# Altium PCB Shuttler_AFE.PcbDoc (part 1 of 5)
Units mil, origin at the board's own origin, x right, y up, seen from the top; angles counter-clockwise.
Board outline 3291.94 x 4295.88 mil, 4 copper layers (TOP, L2, L3, BOTTOM), stack 65.354 mil thick; 521 components, 367 nets, 1536 pads, 871 vias.
Unrouted connection lines stored in the file: 1.
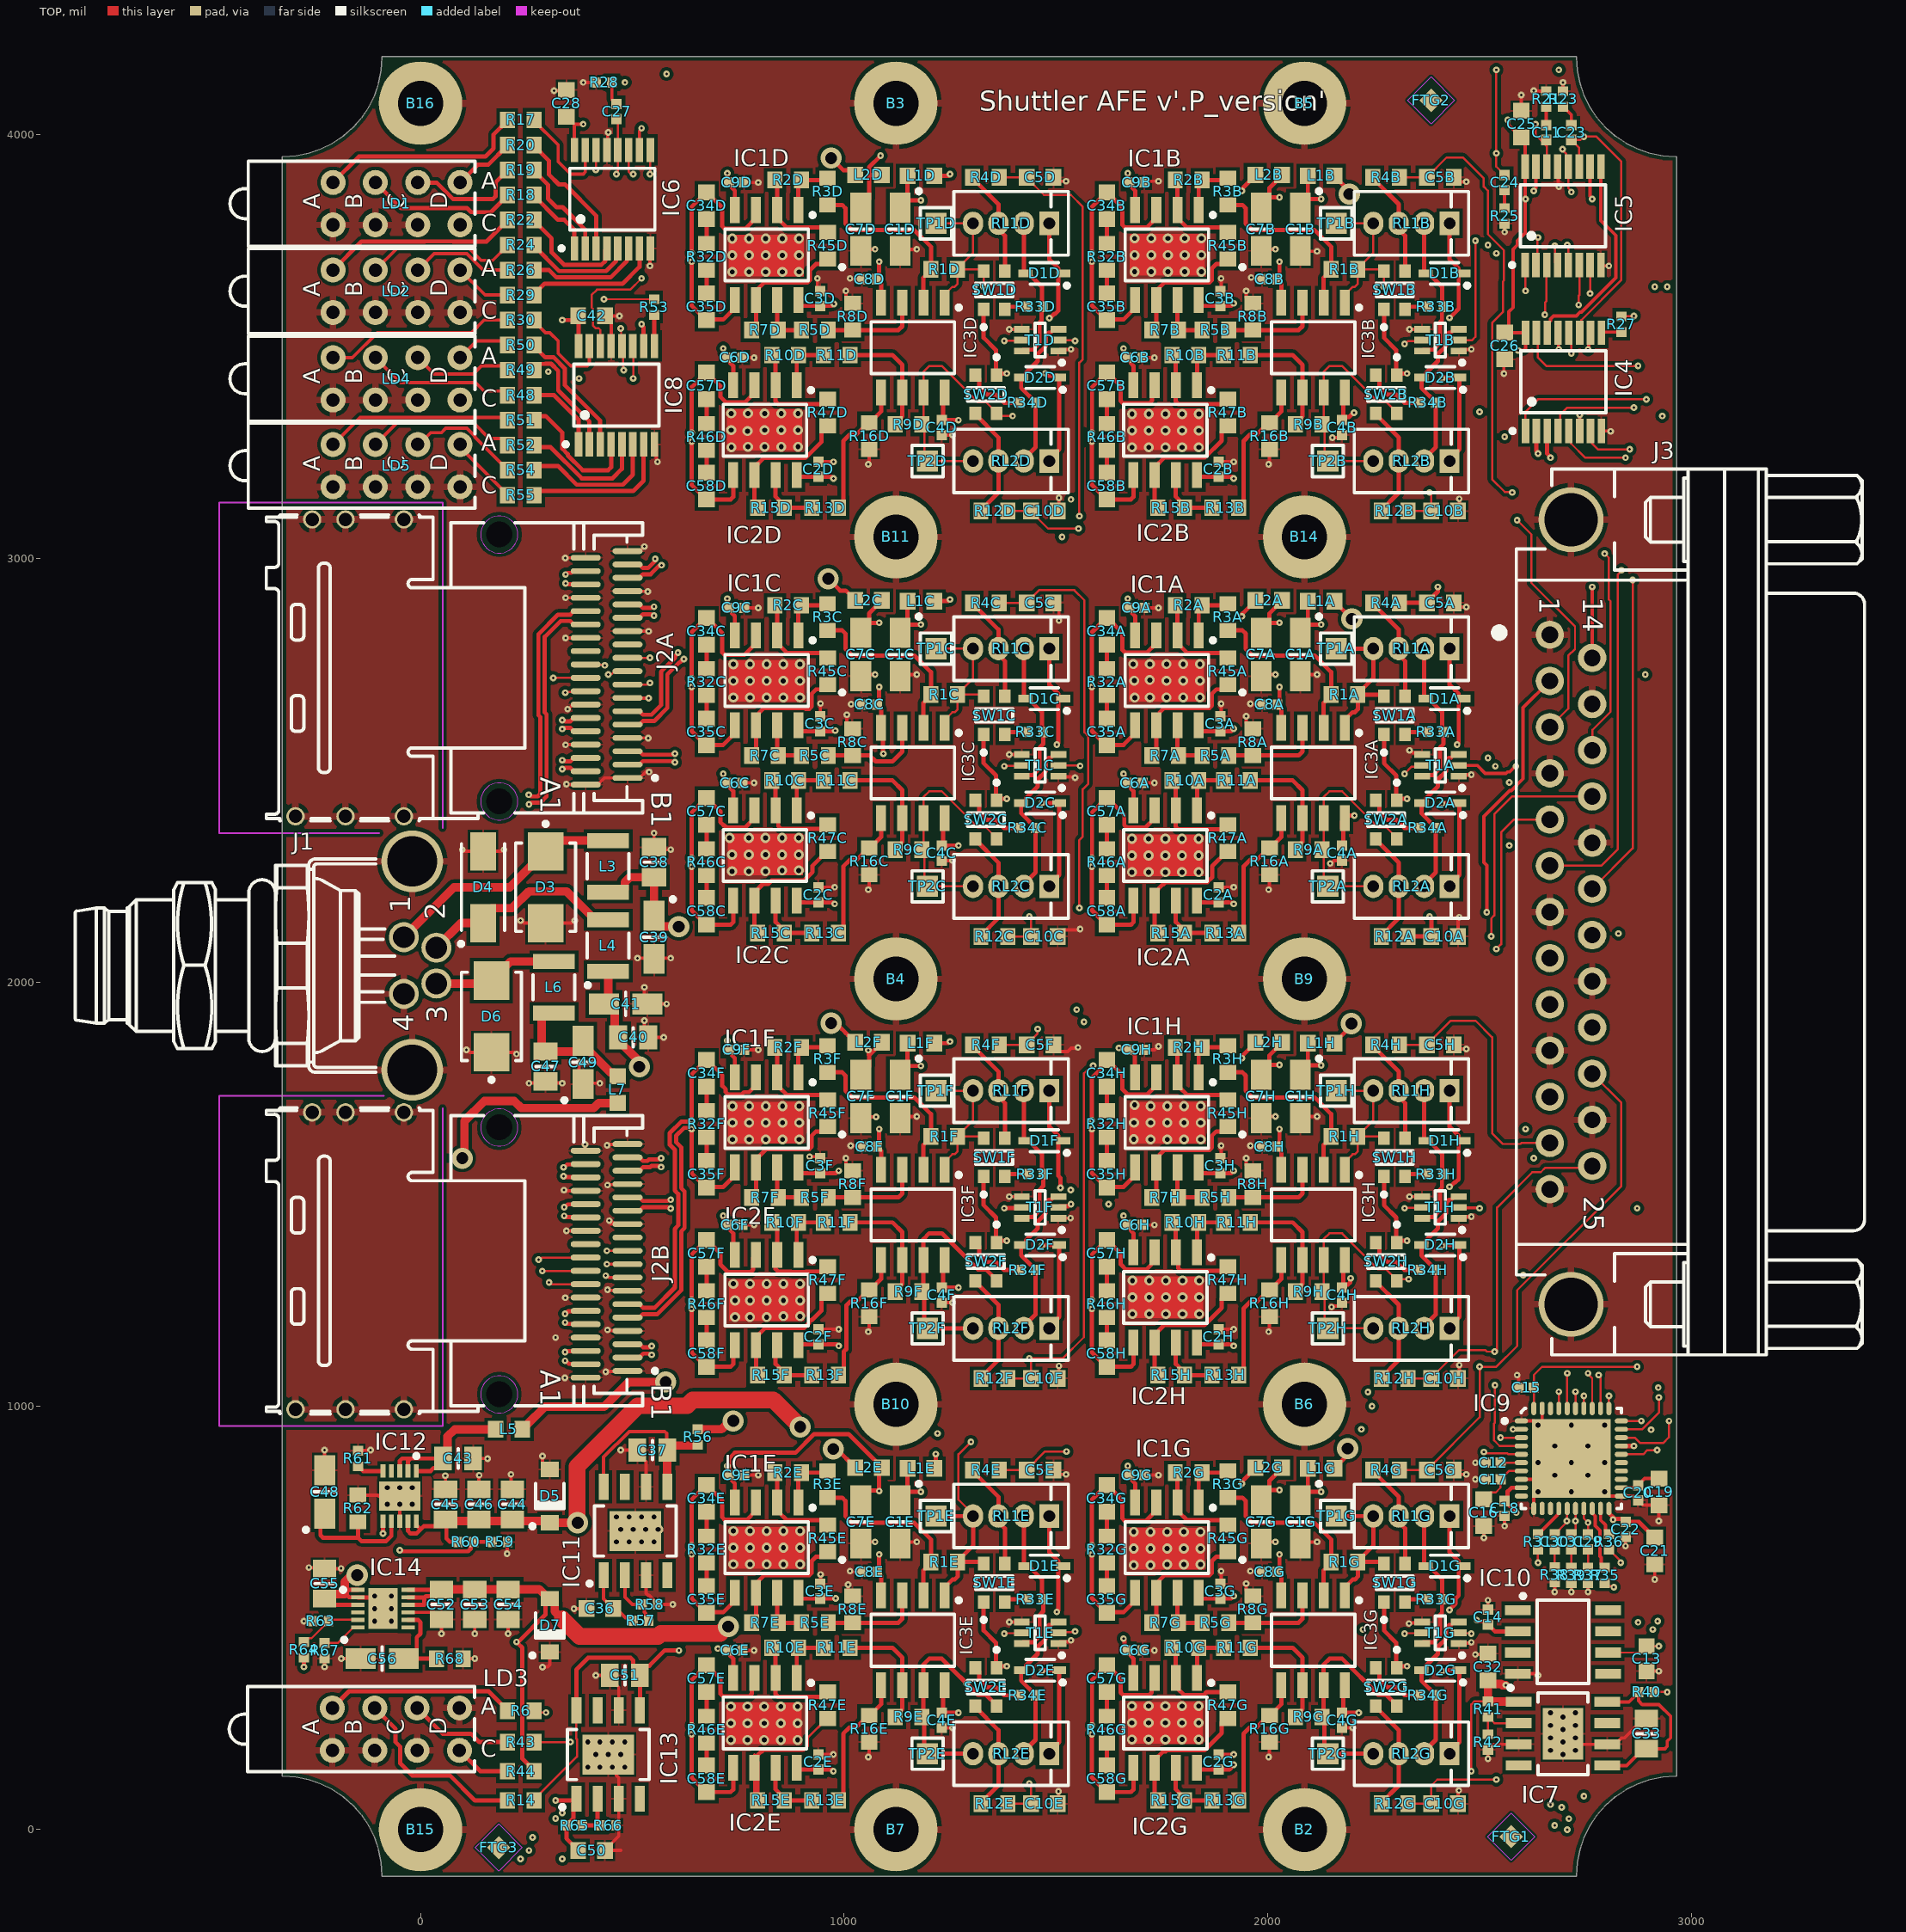
[diagram p0: TOP view]
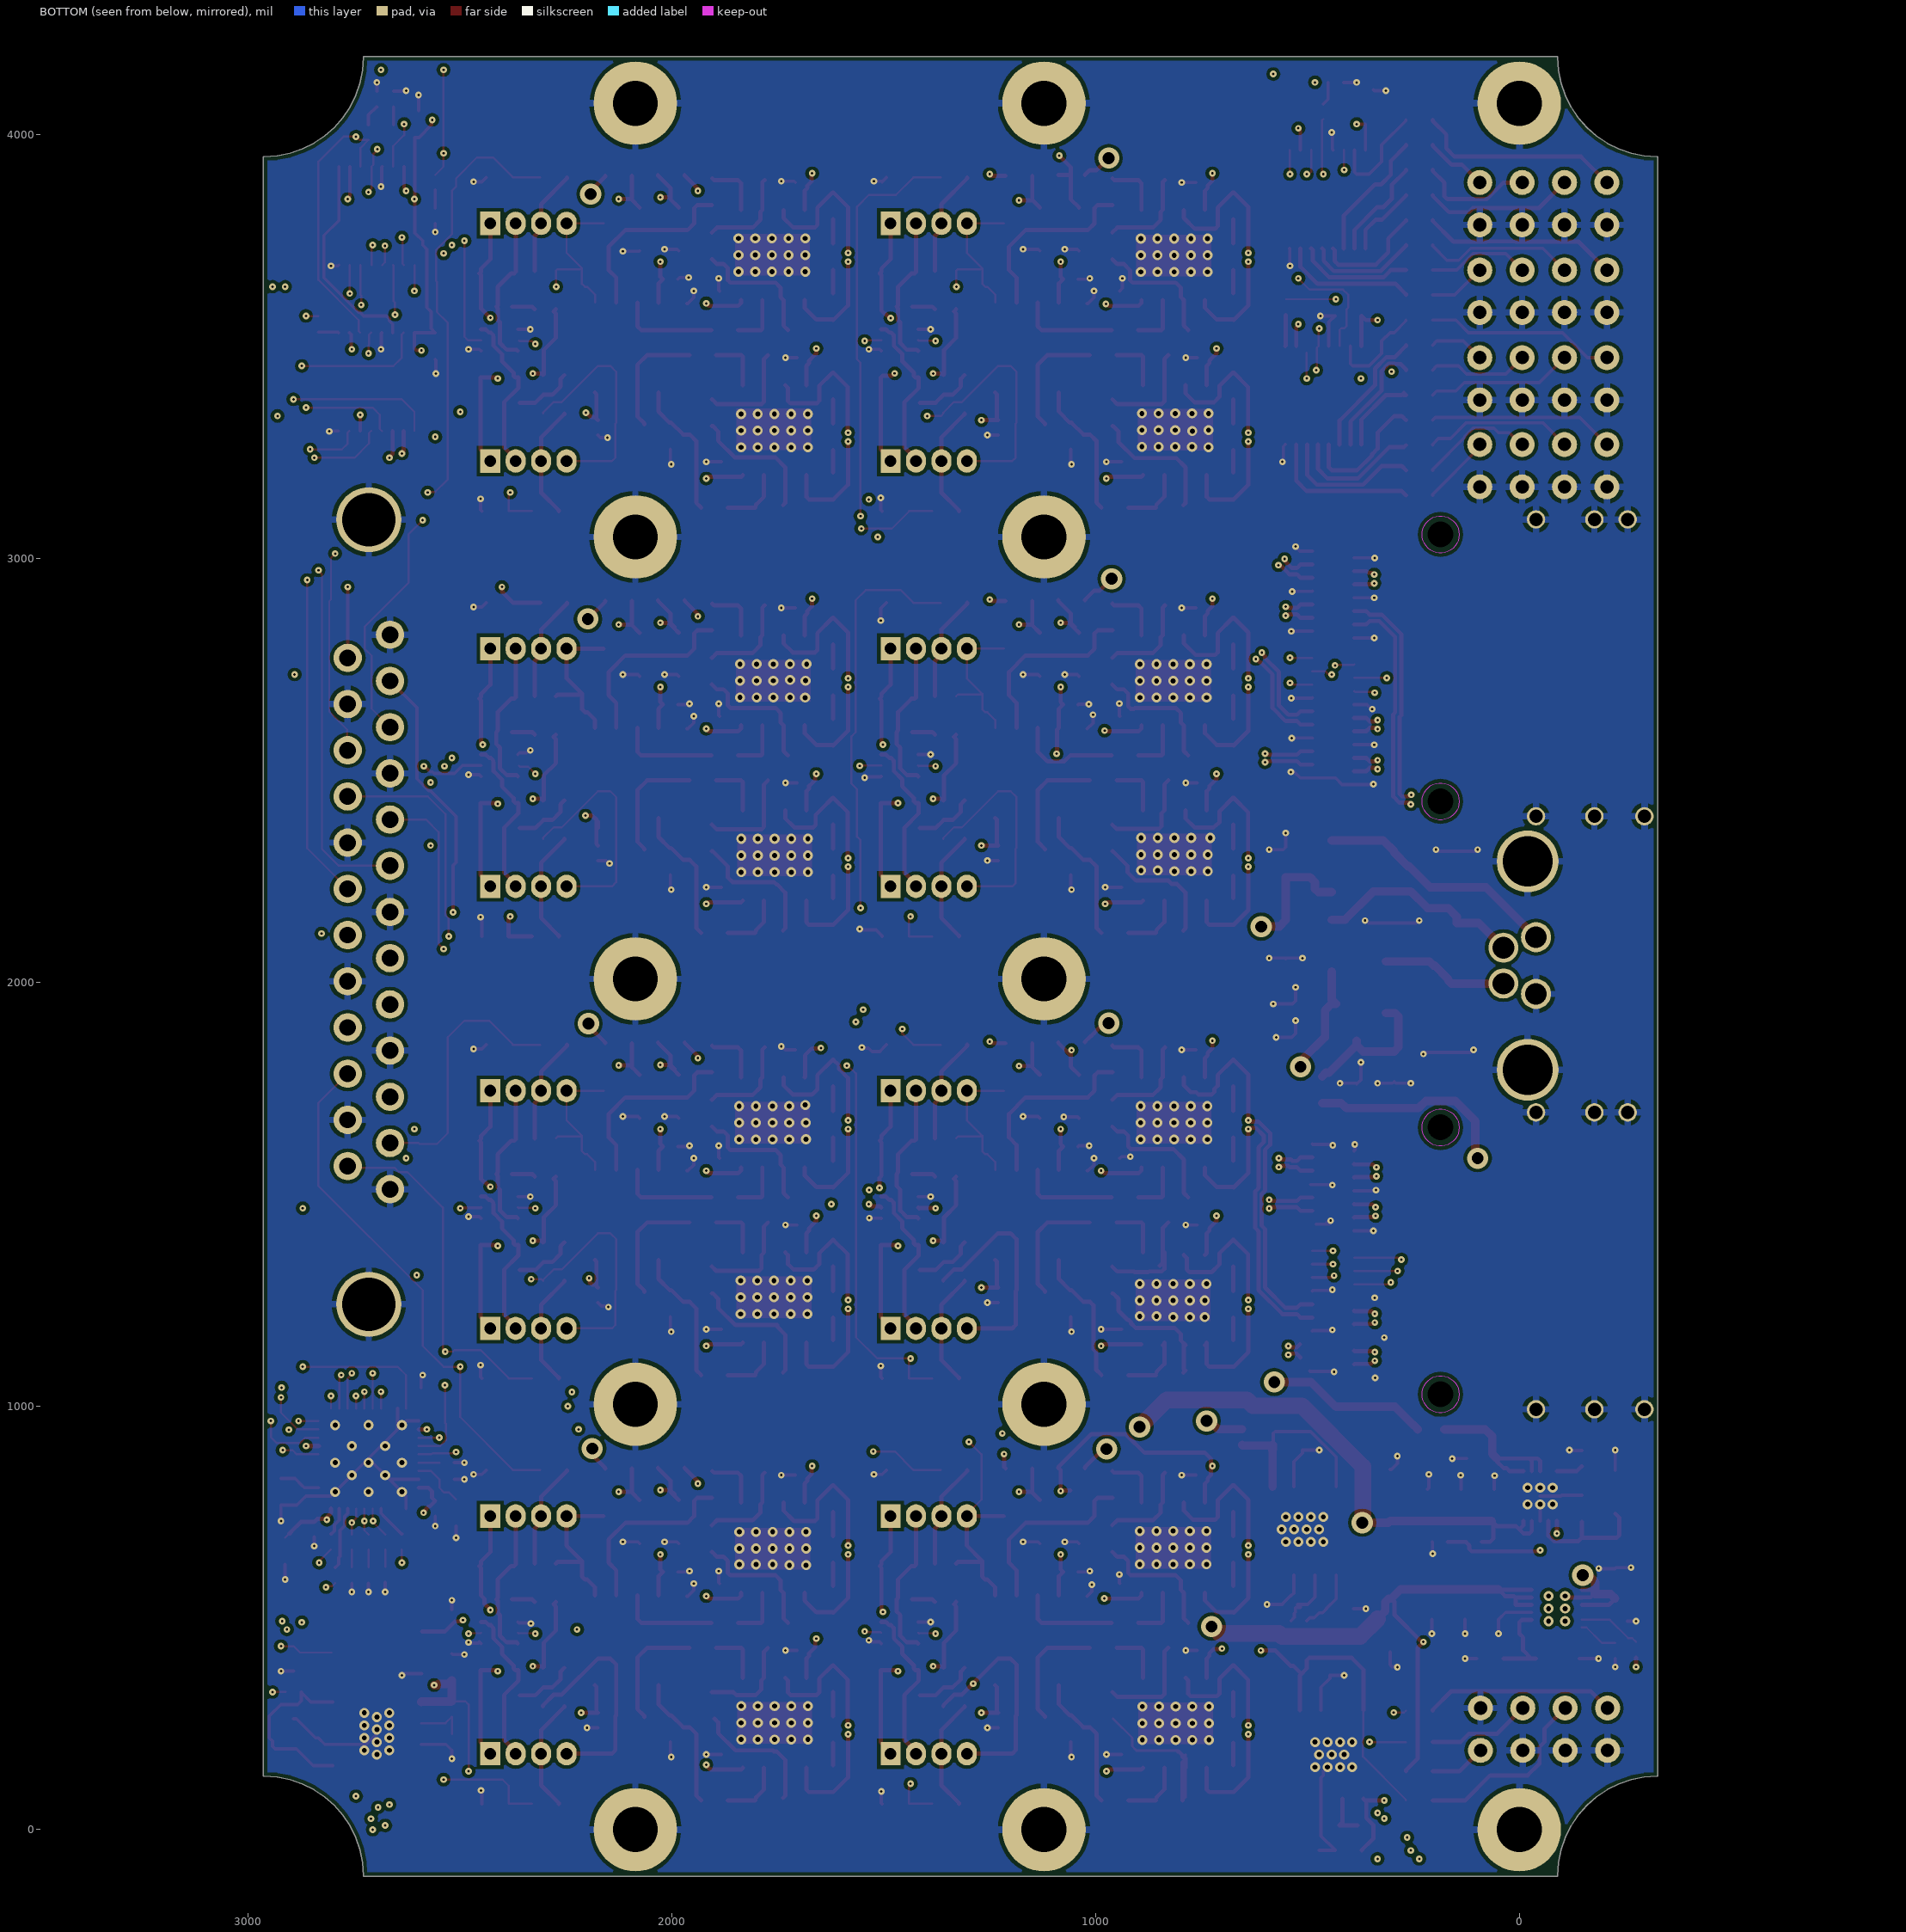
[diagram p1: BOTTOM view, seen from below]
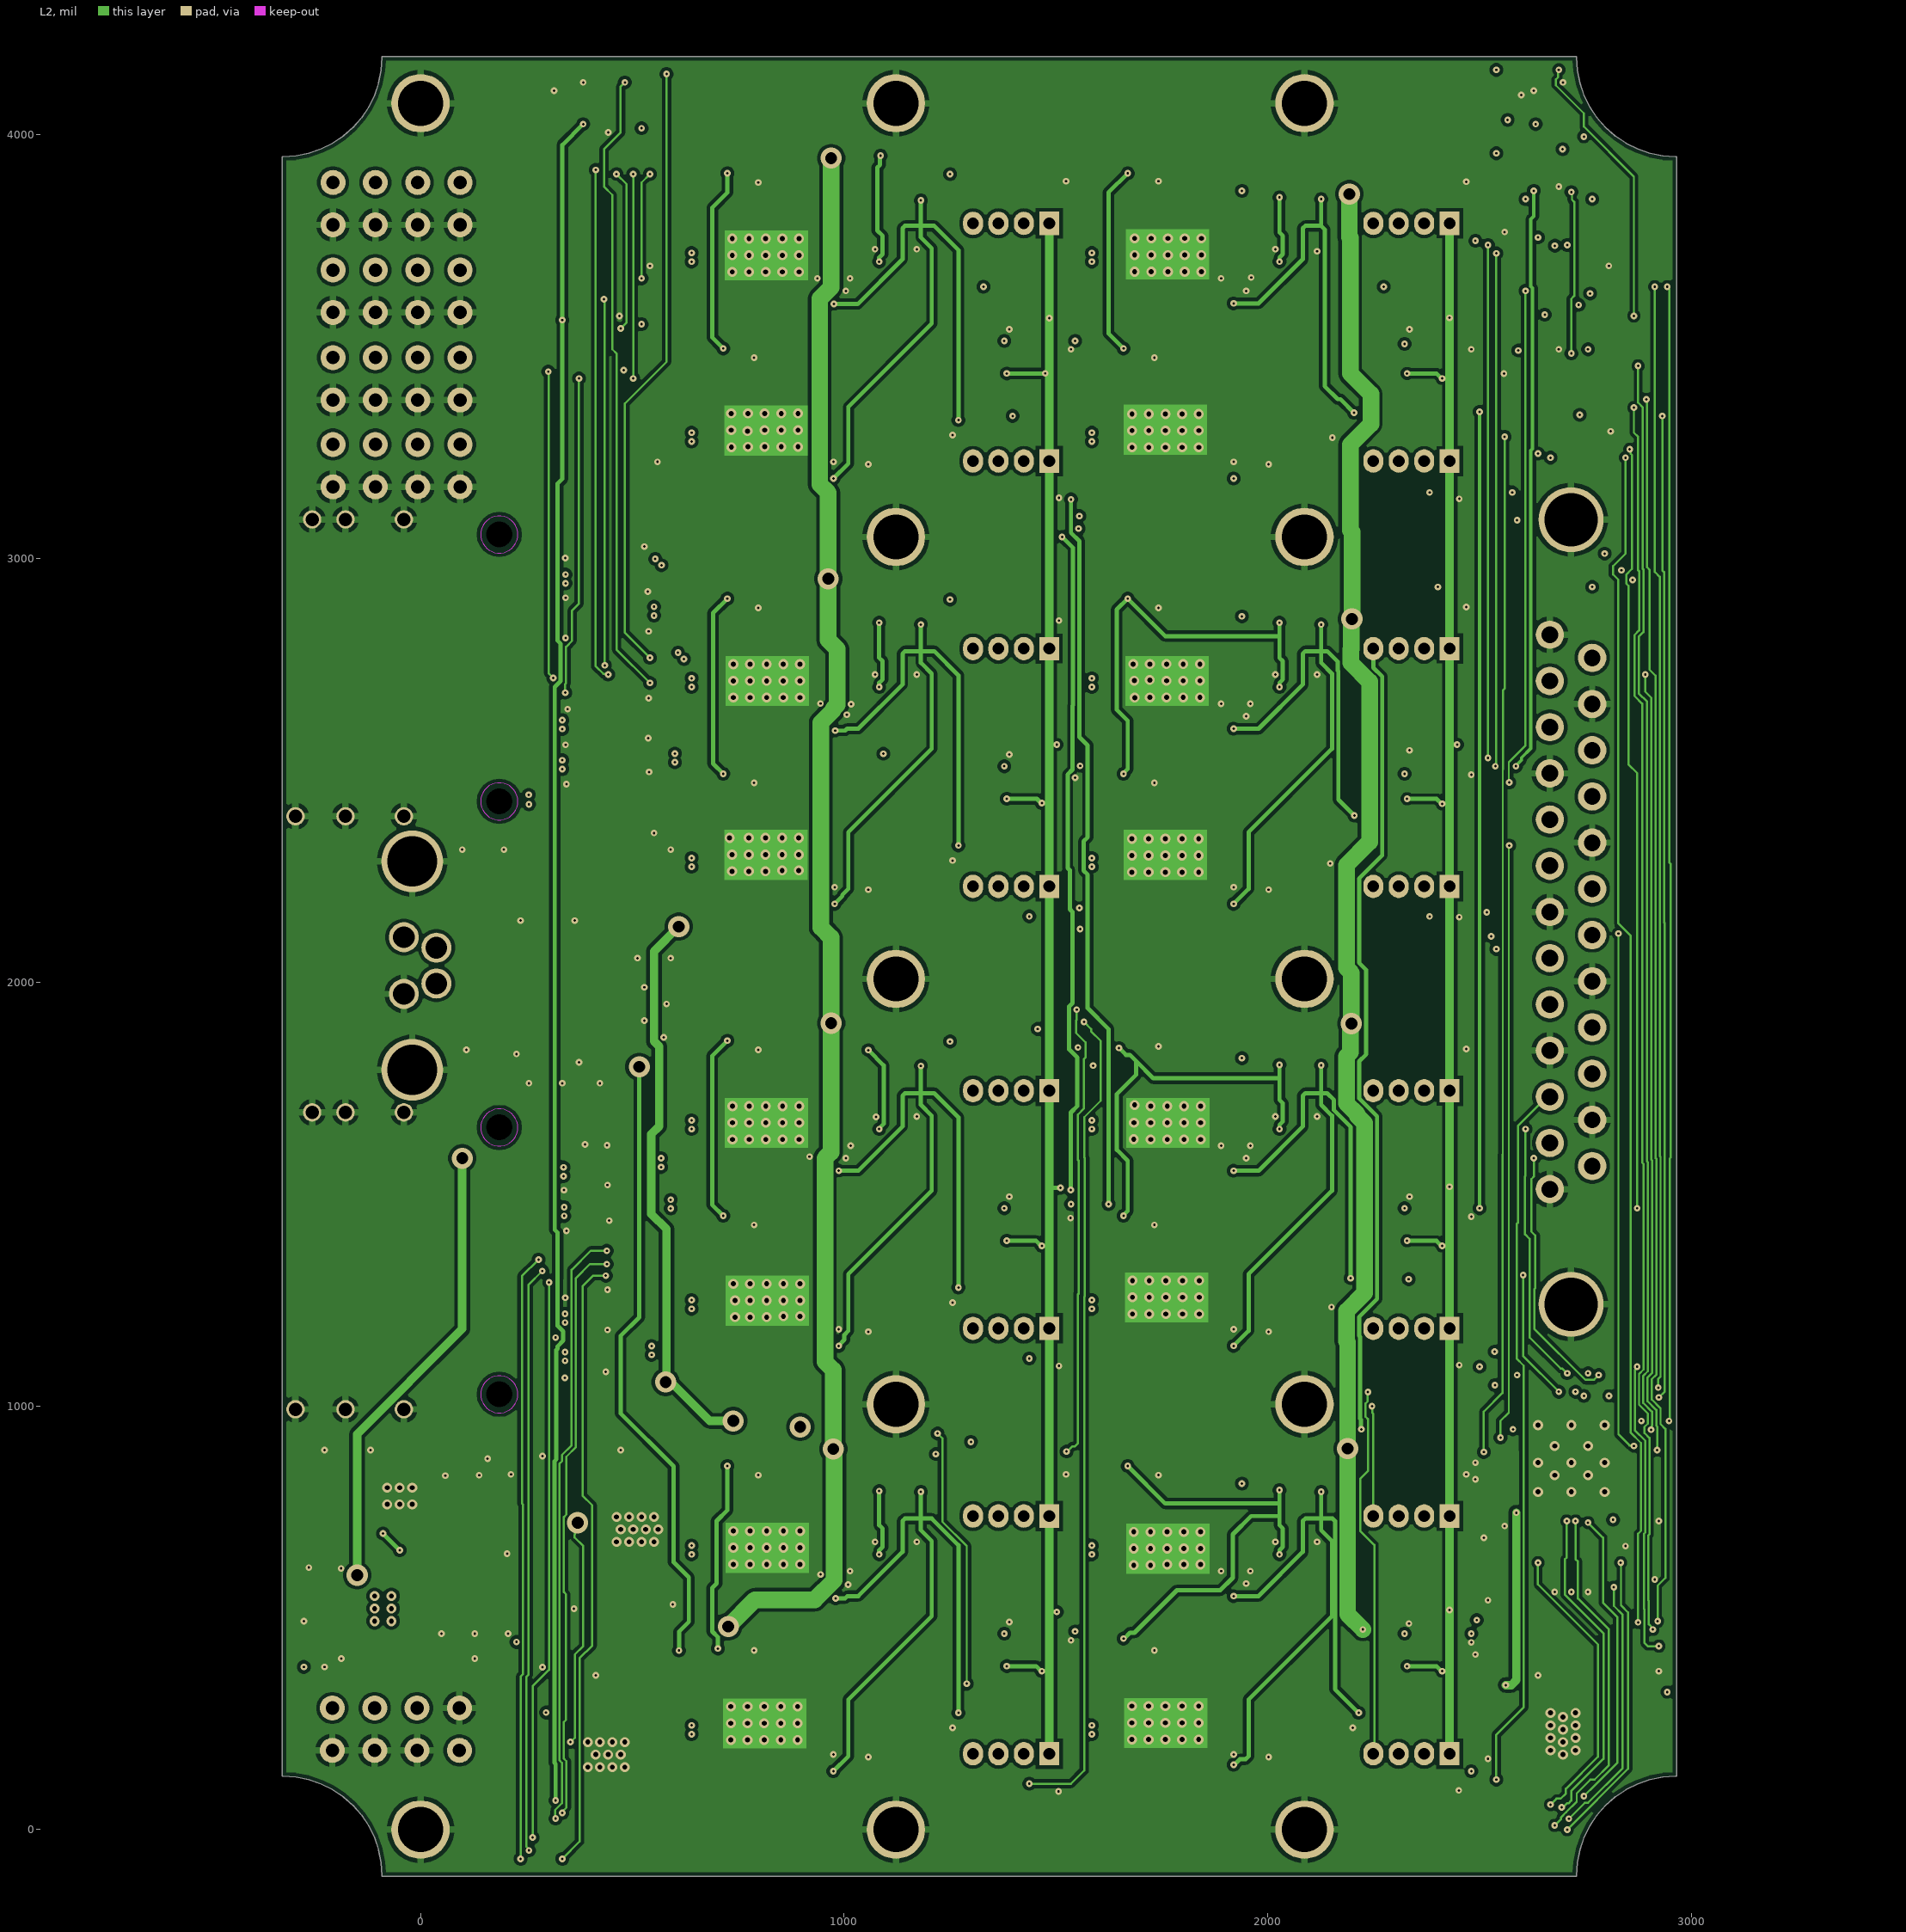
[diagram p2: L2]
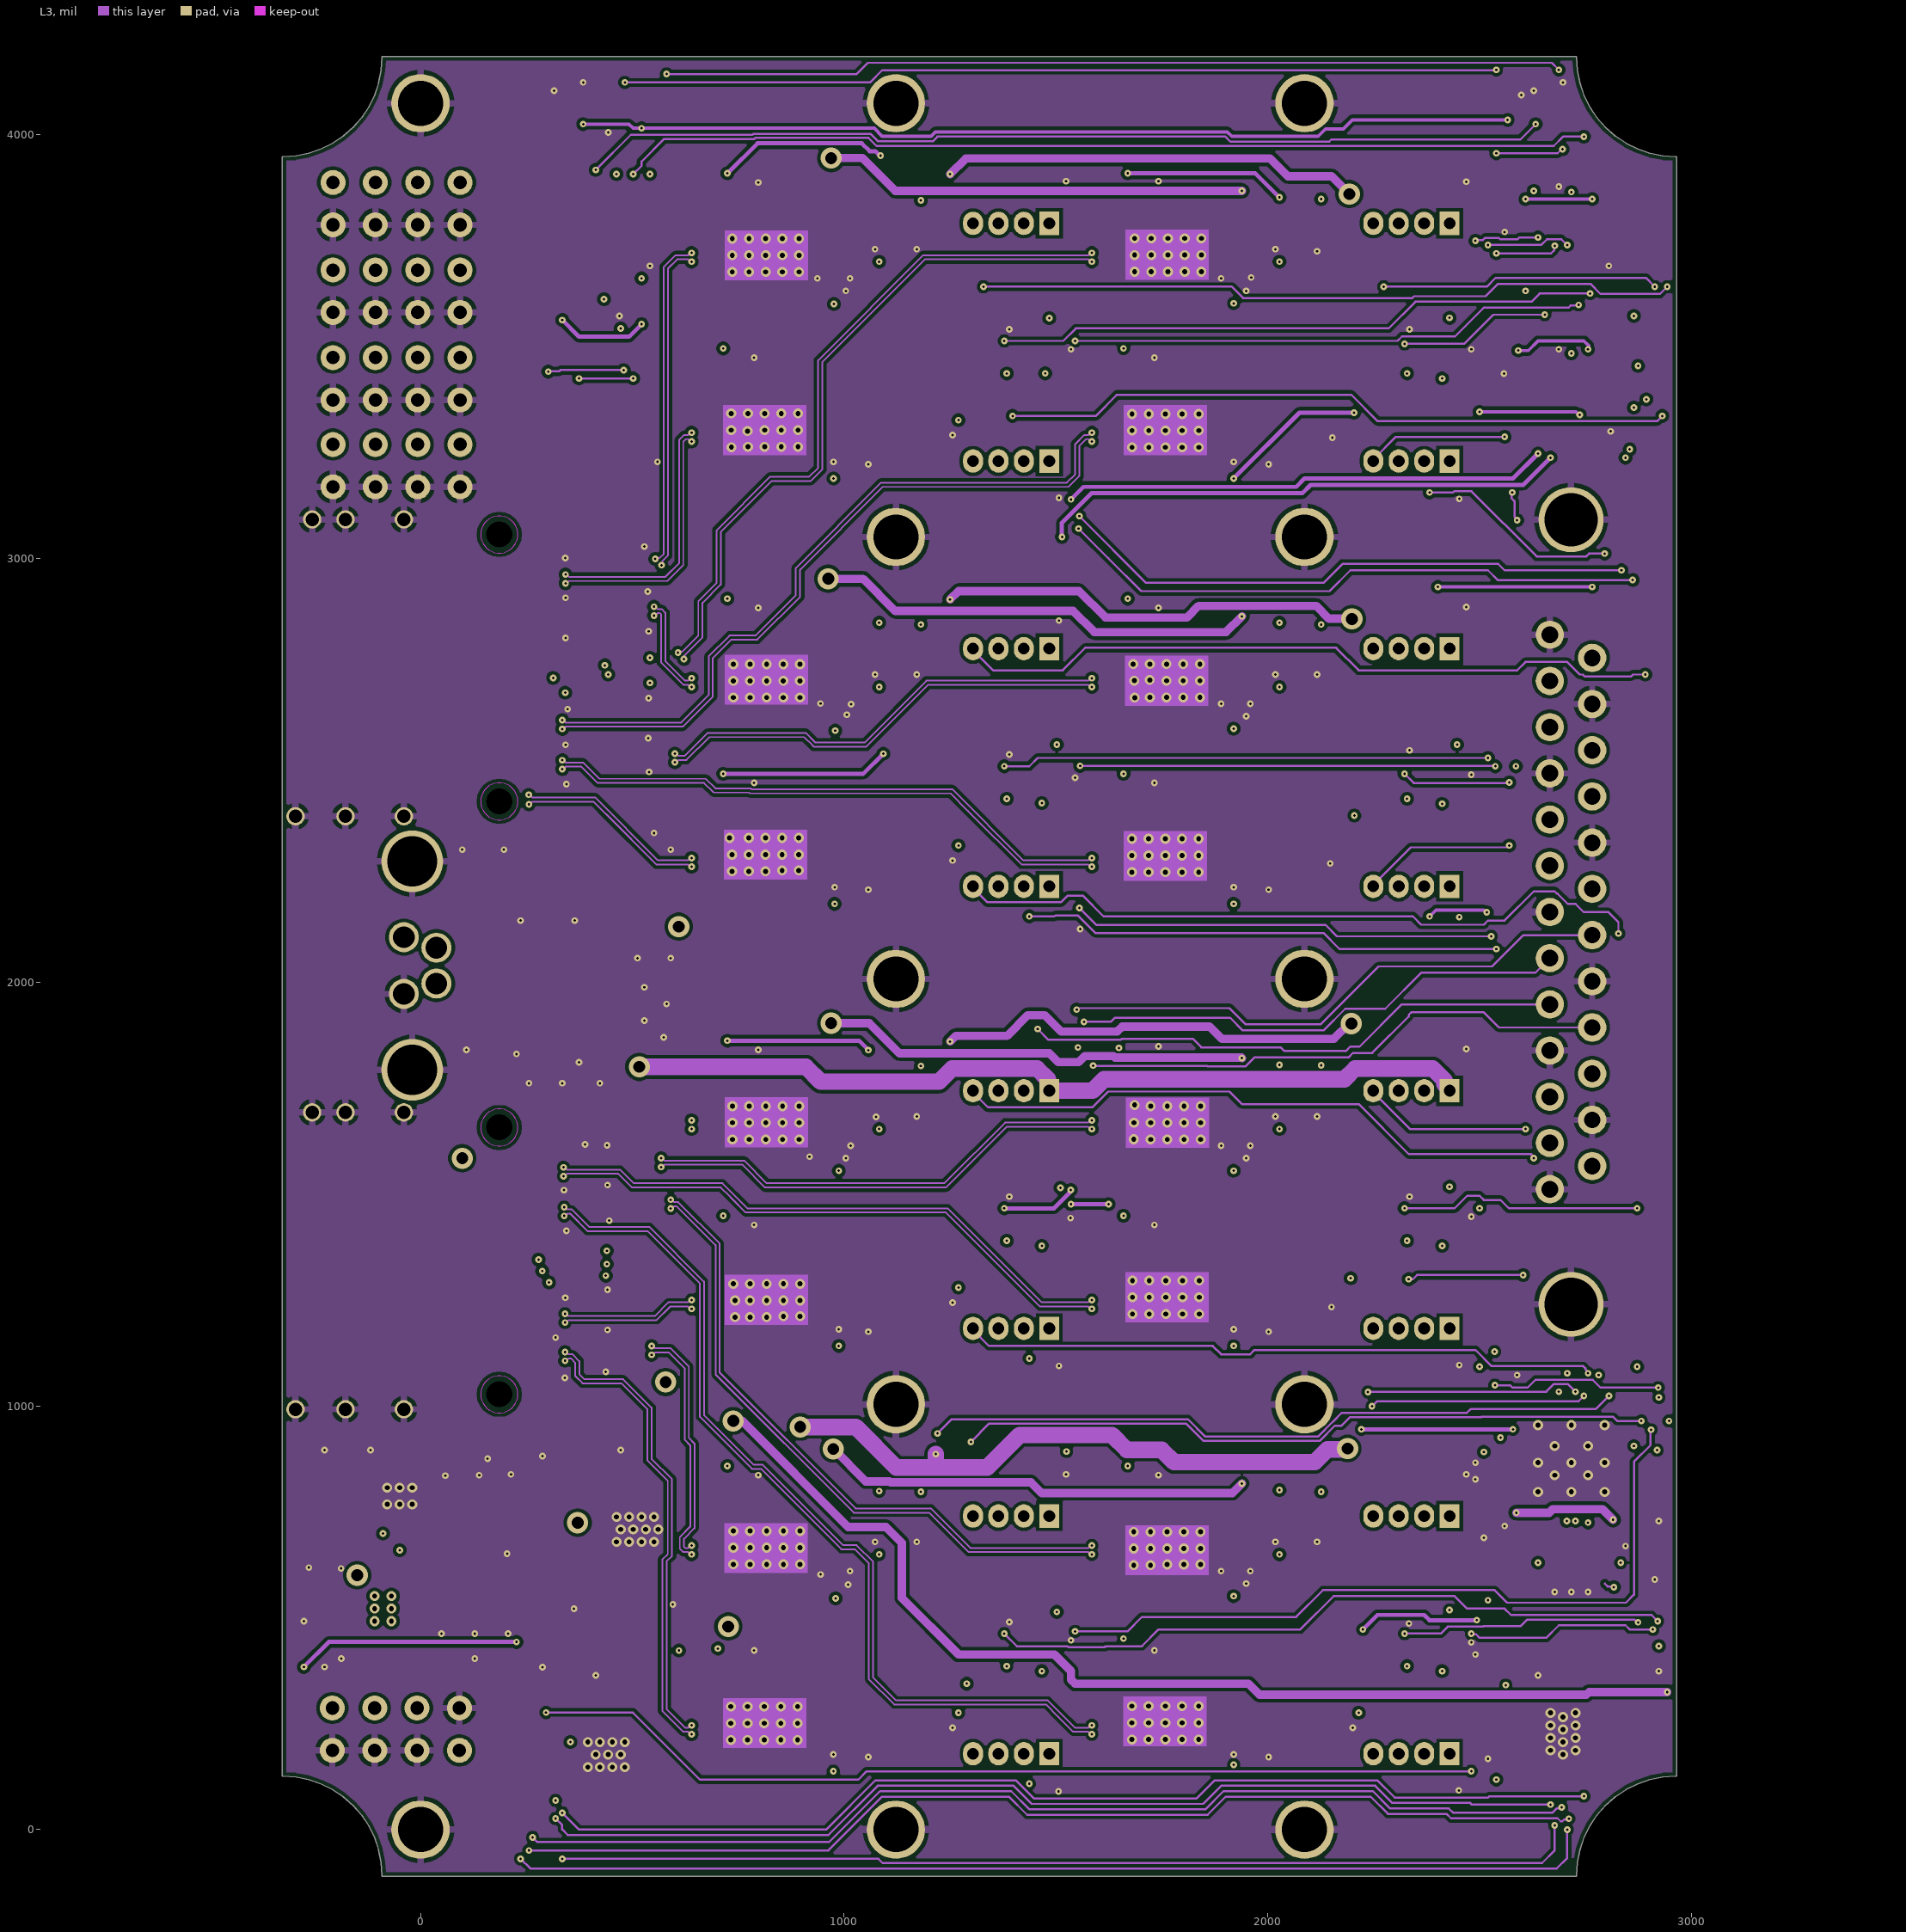
[diagram p3: L3]

## Layer stack, top to bottom
TopSolder: solder mask 0.3937, Solder Resist, Dk 3.5
TOP: signal copper 1.378
Dielectric1: prepreg 14.1732, FR-4, Dk 4.8
L2: signal copper 1.378
Dielectric 3: prepreg 31.4961, FR-4, Dk 4.8
L3: signal copper 1.378
Dielectric5: prepreg 14.1732, FR-4, Dk 4.8
BOTTOM: signal copper 1.378
BottomSolder: solder mask 0.3937, Solder Resist, Dk 3.5

## Board outline
2728.65,-110.54 2728.65,-108.27 2730.65,-77.73 2736.62,-47.72 2746.45,-18.74 2759.99,8.71 2776.99,34.15 2797.17,57.16 2820.18,77.34 2845.62,94.34 2873.07,107.87 2902.05,117.71 2932.06,123.68 2962.6,125.68 2964.87,125.68 2964.87,3949.12 2962.6,3949.12 2932.06,3951.12 2902.05,3957.09 2873.07,3966.93 2845.62,3980.46 2820.18,3997.46 2797.17,4017.64 2776.99,4040.65 2759.99,4066.09 2746.45,4093.54 2736.62,4122.52 2730.65,4152.53 2728.65,4183.07 2728.65,4185.34 -90.85,4185.34 -90.85,4183.07 -92.85,4152.53 -98.82,4122.52 -108.66,4093.54 -122.2,4066.09 -139.2,4040.65 -159.38,4017.64 -182.38,3997.46 -207.83,3980.46 -235.27,3966.93 -264.25,3957.09 -294.27,3951.12 -324.8,3949.12 -327.07,3949.12 -327.07,125.68 -324.8,125.68 -294.27,123.68 -264.25,117.71 -235.27,107.87 -207.83,94.34 -182.38,77.34 -159.38,57.16 -139.2,34.15 -122.2,8.71 -108.66,-18.74 -98.82,-47.72 -92.85,-77.73 -90.85,-108.27 -90.85,-110.54

## Design rules (kind name [scope] priority, off if disabled: settings)
AcuteAngle [All] p1: minimum=4.50000000000000E+0001 checktracksonly=FALSE
AssemblyTestPointUsage [All] p1 off:
AssemblyTestpoint [All] p1 off: testpointundercomponent=TRUE minsize=40 maxsize=100 preferedsize=60 minholesize=0 maxholesize=40 preferedholesize=32 testpointgrid=1 usegrid=TRUE gridtolerance=0.01 allowsidetop=TRUE allowsidebottom=TRUE
BoardOutlineClearance [All] p1: gap=10 ignorepadtopadclearanceinfootprint=FALSE except(0: Arc-SplitContinuation Track-SplitContinuation SMDPad-SplitContinuation THPad-SplitContinuation Via-SplitContinuation Fill-SplitContinuation Poly-SplitContinuation Region-SplitContinuation Text-SplitContinuation)
Clearance [All] p1: gap=5 ignorepadtopadclearanceinfootprint=FALSE except(8: Arc-Poly Track-Poly SMDPad-Poly THPad-Poly Via-Poly Fill-Poly Poly-Poly)
ComponentClearance NO_DRC [InComponentClass('NO_DRC')] p1 off: gap=0 collisioncheckmode=3 verticalgap=100000 showdistances=FALSE
ComponentClearance [All] p2 off: gap=1 collisioncheckmode=3 verticalgap=100000 showdistances=FALSE
DiffPairsRouting [All] p1: maxlimit=5.91 minlimit=5 mostfreqgap=5.91 toplayer_mingap=5.12 toplayer_maxgap=5.12 toplayer_prefgap=5.12 toplayer_minwidth=9.84 toplayer_maxwidth=10 toplayer_prefwidth=9.84 midlayer1_mingap=5.91 midlayer1_minwidth=3.94 midlayer1_maxwidth=3.94 midlayer1_prefwidth=3.94 midlayer2_mingap=5.91 midlayer2_minwidth=3.94 midlayer2_maxwidth=3.94 midlayer2_prefwidth=3.94 bottomlayer_maxgap=5 bottomlayer_prefgap=5 bottomlayer_minwidth=8.05 bottomlayer_maxwidth=8.05 bottomlayer_prefwidth=8.05 impedanceprofiledriven=TRUE impedanceprofileid={1E744259-6D60-4D27-9625-08938F38893F} impedanceprofilevalue=100.000000 maxuncoupledlength=600
FabricationTestPointUsage TestPointUsage [All] p1 off: valid=0 allowmultiple=FALSE
FabricationTestpoint Testpoint [All] p1 off: side=3 testpointundercomponent=TRUE minsize=40 maxsize=100 preferedsize=60 minholesize=0 maxholesize=40 preferedholesize=32 testpointgrid=1 allowsidetop=TRUE allowsidebottom=TRUE usegrid=TRUE gridtolerance=0.01
FanoutControl Fanout_BGA [IsBGA] p1 off: bgadir=Out bgaviamode=Centered fanoutstyle=Auto fanoutdirection=Alternating viagrid=1 // Fanout_BGA (Default Rule)
FanoutControl Fanout_LCC [IsLCC] p2 off: bgadir=Out bgaviamode=Centered fanoutstyle=Auto fanoutdirection=Alternating viagrid=1 // Fanout_LCC (Default Rule)
FanoutControl Fanout_SOIC [IsSOIC] p3 off: bgadir=Out bgaviamode=Centered fanoutstyle=Auto fanoutdirection=Alternating viagrid=1 // Fanout_SOIC (Default Rule)
FanoutControl Fanout_Small [(CompPinCount < 5)] p4 off: bgadir=Out bgaviamode=Centered fanoutstyle=Auto fanoutdirection=OutThenIn viagrid=1 // Fanout_Small (Default Rule)
FanoutControl Fanout_Default [All] p5 off: bgadir=Out bgaviamode=Centered fanoutstyle=Auto fanoutdirection=Alternating viagrid=1 // Fanout_Default (Default Rule)
Height Height_Top [OnTop] p1 off: minheight=0 maxheight=370 prefheight=350
Height Height_Bot [OnBottom] p2 off: minheight=0 maxheight=58 prefheight=52
HoleSize [All] p1: absolutevalues=TRUE maxlimit=1000 minlimit=5.91 maxpercent=80.000 minpercent=20.000
HoleToHoleClearance [All] p1: gap=5 allowstackedmicrovias=TRUE
MinimumAnnularRing [All] p1: minimumring=3.94
MinimumSolderMaskSliver [All] p1 off: minsoldermaskwidth=1
PlaneClearance [All] p1: clearance=9.84
PlaneConnect Vias_Plane [IsVia] p1: planeconnectstyle=Direct reliefexpansion=20 reliefentries=4 reliefconductorwidth=10 reliefairgap=10
PlaneConnect [All] p2: planeconnectstyle=Relief reliefexpansion=8 reliefentries=4 reliefconductorwidth=10 reliefairgap=8
PolygonConnect Vias [IsVia] p1: connectstyle=Direct reliefconductorwidth=10 reliefentries=4 polygonreliefangle="90 Angle" airgapwidth=10
PolygonConnect [All] p2: thpad.connectstyle=Relief thpad.reliefconductorwidth=16 thpad.reliefentries=4 thpad.polygonreliefangle="90 Angle" thpad.airgapwidth=10 smdpad.connectstyle=Relief smdpad.reliefconductorwidth=5 smdpad.reliefentries=4 smdpad.polygonreliefangle="90 Angle" smdpad.airgapwidth=5 via.connectstyle=Direct via.reliefconductorwidth=16 via.reliefentries=4 via.polygonreliefangle="90 Angle" via.airgapwidth=10
RoomDefinition U_AFE_Supply [InComponentClass('U_AFE_Supply')] p1 off: confinementstyle=ConfineIn formatcopy=TRUE lockcomponents=FALSE outline -335.65,358.43 365.35,358.43 365.35,1015.43 -335.65,1015.43
RoomDefinition U_ADC [InComponentClass('U_ADC')] p2 off: confinementstyle=ConfineIn formatcopy=TRUE lockcomponents=FALSE outline 2500,9.84 2972.44,9.84 2972.44,1043.31 2500,1043.31
RoomDefinition U_AFE_CTRL_Logic0 [InComponentClass('U_AFE_CTRL_Logic0')] p3 off: confinementstyle=ConfineIn formatcopy=TRUE lockcomponents=FALSE outline -275.59,3533.46 -492.13,3533.46 -492.13,3139.76 -275.59,3139.76
RoomDefinition U_Shuttler_AFE_Channel7 [InComponentClass('U_Shuttler_AFE_Channel7')] p4 off: confinementstyle=ConfineIn formatcopy=TRUE lockcomponents=FALSE outline 1574.8,1033.46 2490.16,1033.46 2490.16,1899.61 1574.8,1899.61
RoomDefinition U_Shuttler_AFE_Channel6 [InComponentClass('U_Shuttler_AFE_Channel6')] p5 off: confinementstyle=ConfineIn formatcopy=TRUE lockcomponents=FALSE outline 1574.8,29.53 2490.16,29.53 2490.16,895.67 1574.8,895.67
RoomDefinition U_Shuttler_AFE_Channel5 [InComponentClass('U_Shuttler_AFE_Channel5')] p6 off: confinementstyle=ConfineIn formatcopy=TRUE lockcomponents=FALSE outline 629.92,1033.46 1545.28,1033.46 1545.28,1899.61 629.92,1899.61
RoomDefinition U_Shuttler_AFE_Channel4 [InComponentClass('U_Shuttler_AFE_Channel4')] p7 off: confinementstyle=ConfineIn formatcopy=TRUE lockcomponents=FALSE outline 629.92,29.53 1545.28,29.53 1545.28,895.67 629.92,895.67
RoomDefinition U_Shuttler_AFE_Channel3 [InComponentClass('U_Shuttler_AFE_Channel3')] p8 off: confinementstyle=ConfineIn formatcopy=TRUE lockcomponents=FALSE outline 629.92,3080.71 1545.28,3080.71 1545.28,3946.85 629.92,3946.85
RoomDefinition U_Shuttler_AFE_Channel2 [InComponentClass('U_Shuttler_AFE_Channel2')] p9 off: confinementstyle=ConfineIn formatcopy=TRUE lockcomponents=FALSE outline 629.92,2076.77 1545.28,2076.77 1545.28,2942.91 629.92,2942.91
RoomDefinition U_Shuttler_AFE_Channel1 [InComponentClass('U_Shuttler_AFE_Channel1')] p10 off: confinementstyle=ConfineIn formatcopy=TRUE lockcomponents=FALSE outline 1574.8,3080.71 2490.16,3080.71 2490.16,3946.85 1574.8,3946.85
RoomDefinition U_Shuttler_AFE_Channel0 [InComponentClass('U_Shuttler_AFE_Channel0')] p11 off: confinementstyle=ConfineIn formatcopy=TRUE lockcomponents=FALSE outline 1574.8,2076.77 2490.16,2076.77 2490.16,2942.91 1574.8,2942.91